# KiCad board AmigaPCI Mainboard.kicad_pcb (continued)
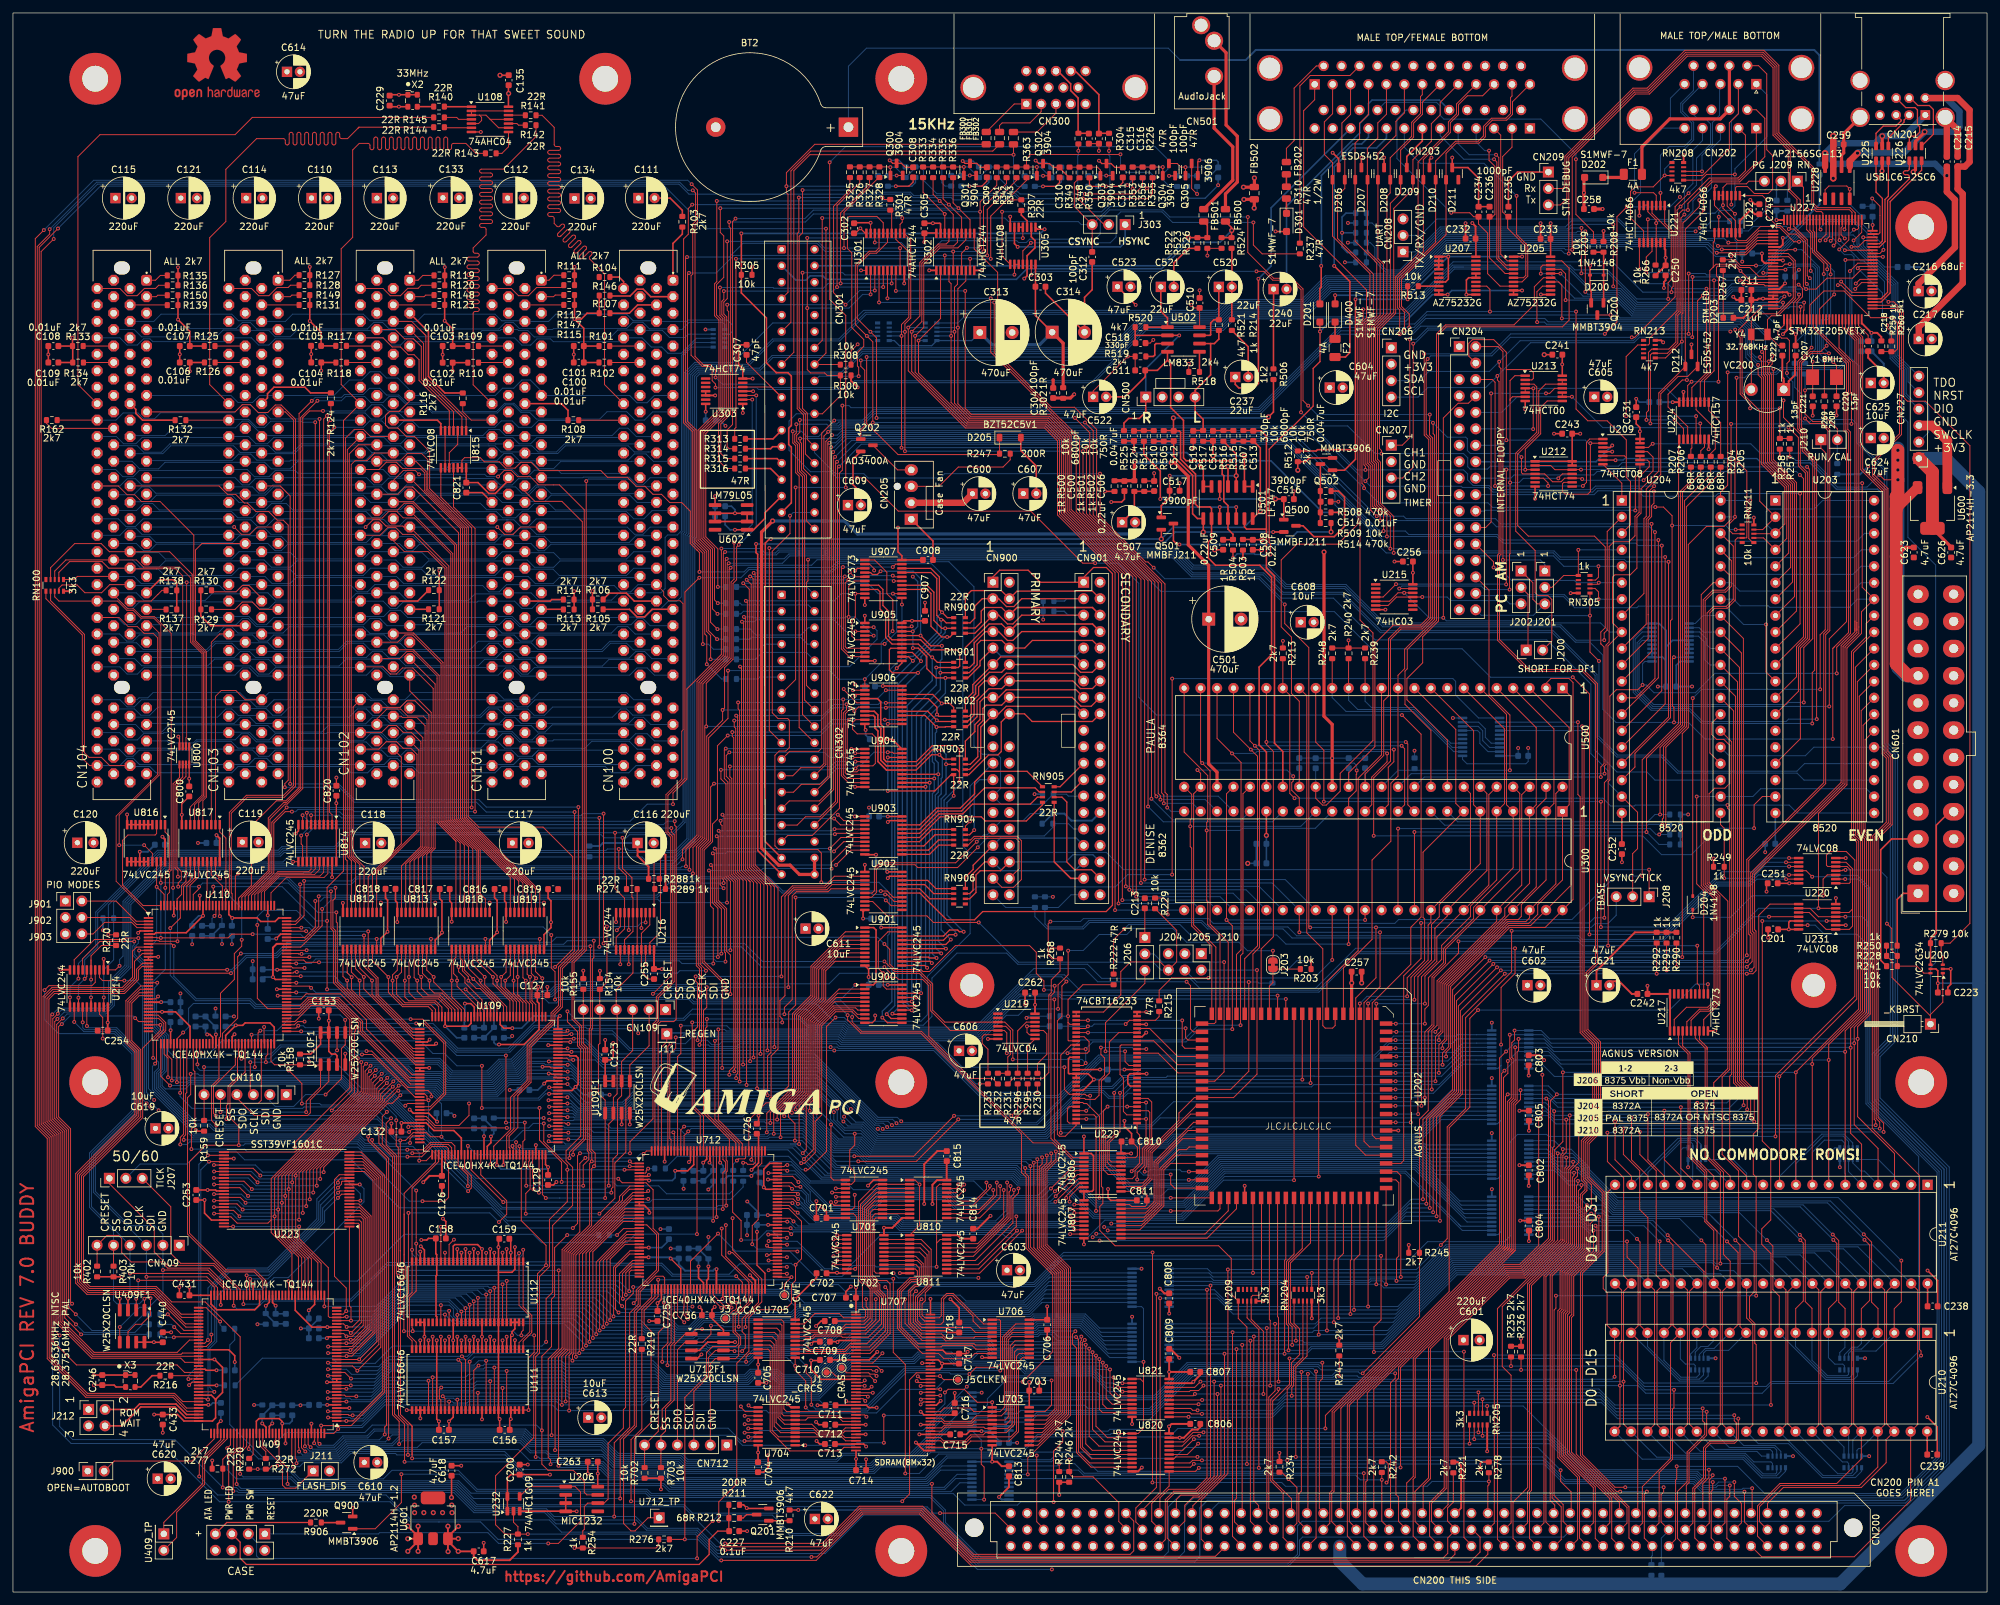
[diagram p0: board, top side]
## Routing (per net, layer and track width the routed paths; a pad name or vN(x,y) marks a point on that pad's centre or on a via; arc(x,y) is an arc through that point) (continued)
LVD12: length 222.9
  Top w0.15: v1(120.84,74.53) 120.84,74.97 122.77,76.9 122.77,88.32 127.56,93.11 U900.2 ; v1(85.63,74.39) 85.58,74.44 U109.83 ; v1(158.91,67.13) 158.91,66.12 158.46,65.68 158.46,53.19 162.08,49.57 162.08,27.79 158.9,24.62 156.91,24.62
  Bottom w0.15: 158.67,67.37 159.13,66.9 171.17,66.9 171.82,66.25 178.02,66.25 180.06,68.29 217.62,68.29 218.82,67.09 U803.6 ; 158.67,67.37 v1(158.91,67.13) ; 158.67,67.37 132.27,67.37 130.59,69.05 127.11,69.05 122.05,74.11 121.59,74.11 121.17,74.53 v1(120.84,74.53) 120.62,74.76 112.81,74.76 112.59,74.53 95.58,74.53 94.85,73.81 86.94,73.81 86.36,74.39 v1(85.63,74.39)
LVD13: length 224.7
  Top w0.15: U900.4 127.11,91.81 123.37,88.07 123.37,76.65 121.91,75.19 v1(121.91,74.68) ; v1(159.63,67.43) 159.63,66.28 158.76,65.42 158.76,53.31 162.38,49.7 162.38,27.67 158.68,23.96 U703.13 ; U109.84 v1(82.79,74.94)
  Bottom w0.15: U803.7 218.59,67.74 217.74,68.59 179.93,68.59 177.9,66.56 171.94,66.56 171.29,67.2 159.85,67.2 v1(159.63,67.43) 159.39,67.66 132.4,67.66 130.71,69.35 127.24,69.35 v1(121.91,74.68) 121.53,75.06 95.68,75.06 94.73,74.11 87.07,74.11 86.26,74.91 82.81,74.91 v1(82.79,74.94)
LVD14: length 222.4
  Top w0.15: v1(160.31,67.74) 160.31,66.54 159.06,65.29 159.06,53.44 162.68,49.82 162.68,27.54 158.45,23.31 U703.12 ; U900.6 126.66,90.51 123.97,87.82 123.97,76.41 123.01,75.44 v1(123.01,74.32) ; U109.85 v1(85.62,75.44)
  Bottom w0.15: 218.15,68.6 218.37,68.39 U803.8 ; 218.15,68.6 218.38,68.38 ; 218.15,68.6 217.87,68.89 179.81,68.89 177.78,66.85 172.07,66.85 171.42,67.5 160.55,67.5 v1(160.31,67.74) 160.09,67.96 132.52,67.96 130.83,69.65 127.36,69.65 123.01,74 v1(123.01,74.32) 121.97,75.36 95.55,75.36 94.6,74.41 87.19,74.41 86.16,75.44 v1(85.62,75.44)
LVD15: length 222.9
  Top w0.15: U109.87 85.59,76.44 v1(85.61,76.41) ; v1(124.09,73.98) 124.09,74.42 124.57,74.9 124.57,87.58 126.91,89.91 129.68,89.91 130.38,89.21 U900.8 ; U703.11 158.22,22.66 162.98,27.42 162.98,49.94 159.36,53.56 159.36,65.17 161.02,66.83 v1(161.02,68.03)
  Bottom w0.15: v1(85.61,76.41) 87.31,74.71 94.48,74.71 95.43,75.66 122.41,75.66 v1(124.09,73.98) 124.09,73.34 127.48,69.95 130.96,69.95 132.65,68.26 160.79,68.26 v1(161.02,68.03) 171.32,68.03 172.19,67.15 177.65,67.15 179.69,69.19 217.99,69.19 218.14,69.04 U803.9
LVD16: length 347.5
  Top w0.15: v1(128.15,158.27) 127.91,158.03 127.91,145.63 129.1,144.44 U905.9 ; v1(117.06,76.19) 117.06,82.78 118.13,83.85 118.13,108.75 114.59,112.29 114.59,157.14 v1(114.37,157.37) ; v1(135.85,158.27) 136.3,158.72 U907.19 ; v1(47.98,64.84) 47.98,65.59 57.87,75.48 58.58,75.48 v1(59.81,76.71) ; v1(126.3,72.19) 126.3,64 126.68,63.62 U701.11 ; U223.29 v1(31.04,65.94) ; U109.88 v1(82.78,76.94)
  Bottom w0.15: v1(47.98,64.84) 38.54,64.84 37.44,65.94 v1(31.04,65.94) ; v1(59.81,76.71) 60.16,77.06 64.92,77.06 66.01,75.97 81.24,75.97 82.21,76.94 v1(82.78,76.94) 85.87,76.94 87.8,75.01 94.35,75.01 95.52,76.19 122.63,76.19 126.3,72.51 v1(126.3,72.19) 128.25,70.25 131.08,70.25 132.77,68.56 178.64,68.56 179.56,69.49 217.07,69.49 220.54,72.95 U822.2 ; v1(114.37,157.37) 126.37,157.37 127.28,158.27 v1(128.15,158.27) v1(135.85,158.27)
LVD17: length 345
  Top w0.15: U109.90 v1(82.79,77.94) ; U905.7 128.74,145.74 128.51,145.97 128.51,155.83 v1(128.99,156.31) ; v1(47.44,63.79) 47.44,65.47 59.38,77.41 v1(59.5,77.41) ; v1(113.29,156.3) 113.99,155.6 113.99,112.04 117.03,109 117.03,83.31 116.51,82.79 v1(116.51,76.71) ; U223.31 v1(31.05,64.94) ; v1(135.99,156.12) U907.15 ; U701.12 129.49,62.97 129.97,63.46 129.97,64.85 129.2,65.62 129.2,68.25 129.97,69.02 v1(129.97,70.78)
  Bottom w0.15: v1(113.29,156.3) 113.29,156.31 v1(128.99,156.31) 135.81,156.31 v1(135.99,156.12) ; v1(47.44,63.79) 37.96,63.79 36.81,64.94 v1(31.05,64.94) ; v1(59.5,77.41) 59.55,77.36 65.04,77.36 66.13,76.27 81.12,76.27 v1(82.79,77.94) 83.49,77.24 86,77.24 87.9,75.34 94.25,75.34 95.62,76.71 v1(116.51,76.71) 124.36,76.71 126.21,74.86 126.21,73.03 128.46,70.78 v1(129.97,70.78) 130.98,70.78 132.89,68.87 178.51,68.87 179.44,69.79 216.95,69.79 220.76,73.6 U822.3
LVD18: length 338.2
  Top w0.15: v1(113.17,153.06) 113.39,152.84 113.39,111.79 115.95,109.23 v1(115.95,77.25) ; U109.91 v1(85.62,78.44) ; v1(46.91,62.74) 46.91,65.36 57.38,75.83 57.38,76.02 v1(59.56,78.2) ; U905.5 130.09,147.04 129.54,147.6 129.54,150.01 130.06,150.54 v1(130.06,154.17) 130.06,154.17 U907.9 ; U701.13 127.04,62.32 v1(127.04,62.33) ; U223.33 v1(31.04,63.94)
  In2.Cu w0.15: v1(127.04,62.33) 127.88,63.16 127.88,71.81 126.74,72.95 v1(126.74,74.1)
  Bottom w0.15: 221,74.26 216.83,70.09 179.31,70.09 178.39,69.16 133.02,69.16 130.88,71.3 128.36,71.3 126.74,72.92 v1(126.74,74.1) 126.74,74.76 124.24,77.25 v1(115.95,77.25) 95.74,77.25 94.13,75.64 88.42,75.64 v1(85.62,78.44) 84.25,78.44 83.45,79.24 79.38,79.24 78.52,78.38 76.66,78.38 74.85,76.57 66.25,76.57 65.16,77.66 60.85,77.66 60.3,78.2 v1(59.56,78.2) ; v1(113.17,153.06) 126.79,153.06 127.9,154.17 v1(130.06,154.17) ; v1(46.91,62.74) 37.53,62.74 36.33,63.94 v1(31.04,63.94) ; U822.4 221,74.25
LVD19: length 341.5
  Top w0.15: U109.93 85.22,79.44 85.34,79.31 v1(85.64,79.31) ; U905.3 130.06,148.34 v1(130.06,148.34) ; v1(46.37,61.69) 46.37,65.25 57.08,75.96 57.08,76.47 v1(58.65,78.04) ; U223.35 v1(31.05,62.94) ; U701.14 126.49,61.68 v1(126.47,61.69) ; U907.5 129.91,156.77 v1(129.2,157.48) ; v1(114.89,77.77) 114.89,109.44 112.79,111.54 112.79,149.61 v1(112.57,149.84)
  In2.Cu w0.15: v1(130.06,148.34) 130.06,150.29 129.51,150.83 129.51,157.16 v1(129.2,157.48) ; v1(127.26,74.65) 127.26,72.85 128.18,71.94 128.18,62.28 127.58,61.69 v1(126.47,61.69)
  Bottom w0.15: v1(46.37,61.69) 36.63,61.69 35.38,62.94 v1(31.05,62.94) ; U822.5 221.22,74.91 216.71,70.39 179.19,70.39 178.26,69.46 133.14,69.46 130.95,71.66 128.43,71.66 127.26,72.82 v1(127.26,74.65) 124.14,77.77 v1(114.89,77.77) 87.96,77.77 86.42,79.31 v1(85.64,79.31) 84.16,79.31 83.94,79.54 79.26,79.54 78.4,78.68 76.53,78.68 74.72,76.87 66.38,76.87 65.29,77.96 60.97,77.96 60.12,78.81 59.42,78.81 v1(58.65,78.04) ; v1(130.06,148.34) 128.56,148.34 126.76,150.14 114.77,150.14 114.47,149.84 v1(112.57,149.84)
LVD20: length 334.1
  Top w0.15: v1(82.73,80.06) 83.06,80.06 83.19,79.94 U109.94 ; v1(111.67,135.33) 111.89,135.1 111.89,111.17 113.27,109.79 v1(113.27,78.3) ; v1(127.06,61.03) 127.06,61.02 U701.15 ; v1(128.7,137.07) 128.7,136.24 128.21,135.75 128.21,126.19 128.78,125.63 U904.8 ; U223.38 v1(31.04,61.44) ; v1(45.83,60.64) 45.83,65.13 56.78,76.08 56.78,76.91 v1(58.73,78.86) ; v1(134.78,137.3) 134.79,137.31 U906.16
  In2.Cu w0.15: v1(127.06,61.03) 127.82,61.03 128.47,61.69 128.47,72.42 v1(128.22,72.67)
  Bottom w0.15: v1(58.73,78.86) 58.98,79.11 60.24,79.11 61.09,78.26 65.41,78.26 66.5,77.17 74.6,77.17 76.41,78.98 78.27,78.98 79.36,80.06 v1(82.73,80.06) 83.44,80.06 83.66,79.84 86.32,79.84 87.86,78.3 v1(113.27,78.3) 124.36,78.3 127.8,74.87 127.8,73.1 v1(128.22,72.67) 128.93,71.96 131.07,71.96 133.27,69.76 178.14,69.76 179.07,70.69 216.58,70.69 221.44,75.55 U822.6 ; v1(134.78,137.3) 133.83,137.3 133.6,137.07 126.73,137.07 124.99,135.33 v1(111.67,135.33) ; v1(31.04,61.44) 35.27,61.44 36.07,60.64 v1(45.83,60.64)
LVD21: length 330.6
  Top w0.15: v1(129.06,134.71) 128.81,134.46 128.81,126.91 129.06,126.66 130.31,126.66 130.58,126.93 U904.6 ; v1(127.06,60.27) 127.16,60.38 U701.16 ; U109.95 85.21,80.44 85.28,80.36 v1(85.65,80.36) ; U223.40 v1(31.05,60.44) ; v1(57.73,78.6) 56.48,77.35 56.48,76.21 45.29,65.02 v1(45.29,59.59) ; v1(134.62,134.71) U906.12 ; v1(111.07,132.79) 111.07,132.13 111.29,131.91 111.29,110.92 112.2,110.01 v1(112.2,78.83)
  In2.Cu w0.15: v1(127.06,60.27) 127.48,60.27 128.78,61.56 128.78,72.96 v1(128.32,73.41)
  Bottom w0.15: v1(31.05,60.44) 34.8,60.44 35.65,59.59 v1(45.29,59.59) ; v1(57.73,78.6) 58.54,79.41 60.37,79.41 61.22,78.56 65.54,78.56 66.63,77.47 74.47,77.47 76.28,79.28 78.15,79.28 79.46,80.59 83.69,80.59 83.91,80.36 v1(85.65,80.36) 86.22,80.36 87.76,78.83 v1(112.2,78.83) 124.26,78.83 128.32,74.76 v1(128.32,73.41) 129.47,72.26 131.21,72.26 133.41,70.06 159.69,70.06 161.17,71.55 181.88,71.55 182.18,71.84 217.31,71.84 221.67,76.2 U822.7 ; v1(134.62,134.71) v1(129.06,134.71) 126.56,134.71 124.64,132.79 v1(111.07,132.79)
LVD22: length 324.6
  Top w0.15: U906.6 130.55,136.66 v1(129.91,136.02) ; v1(111.66,79.36) 111.66,79.89 111.9,80.13 111.9,109.89 110.99,110.8 110.99,125.6 110.69,125.9 v1(110.69,127.49) ; v1(81.77,81.11) 82.88,81.11 83.05,80.94 U109.96 ; 127.59,59.72 126.79,59.72 ; 127.59,59.72 126.96,59.72 ; 127.59,59.72 U701.17 ; 126.79,59.72 126.96,59.72 ; 126.79,59.72 v1(126.3,60.21) ; 126.96,59.72 126.77,59.72 ; v1(44.75,58.54) 44.75,64.9 56.18,76.33 56.18,77.79 v1(57.79,79.41) ; v1(130.08,128.23) 130.08,128.23 U904.4 ; U223.42 v1(31.04,59.44)
  In2.Cu w0.15: v1(126.3,60.21) 126.78,59.73 127.37,59.73 129.07,61.44 129.07,73.78 v1(128.85,74.01) ; v1(129.91,136.02) 130.56,135.37 130.56,128.71 v1(130.08,128.23)
  Bottom w0.15: v1(57.79,79.41) 58.1,79.71 60.49,79.71 61.34,78.86 65.66,78.86 66.75,77.77 74.35,77.77 76.16,79.58 78.03,79.58 79.56,81.11 v1(81.77,81.11) 85.06,81.11 85.28,80.89 86.12,80.89 87.65,79.36 v1(111.66,79.36) 124.15,79.36 128.85,74.66 v1(128.85,74.01) 128.85,73.84 130.13,72.56 131.33,72.56 133.53,70.37 159.56,70.37 161.05,71.85 175.75,71.85 177.12,73.22 218.25,73.22 221.89,76.85 U822.8 ; v1(44.75,58.54) 35.24,58.54 34.34,59.44 v1(31.04,59.44) ; v1(130.08,128.23) 127,128.23 126.27,127.5 110.7,127.5 v1(110.69,127.49)
LVD23: length 329
  Top w0.15: U109.97 85.62,81.44 v1(85.65,81.41) ; v1(110.06,130.25) 109.83,130.02 109.83,125.63 110.39,125.07 110.39,110.55 111.3,109.64 111.3,81.17 110.61,80.48 v1(110.61,79.88) ; v1(129.7,139.26) U906.2 ; U223.44 v1(31.05,58.44) ; U701.18 129.57,59.07 129.97,59.47 v1(129.97,61.34) ; v1(56.85,79.21) 55.88,78.24 55.88,76.46 44.18,64.75 44.18,57.5 v1(44.18,57.49) ; U904.2 130.04,129.53 v1(130.04,129.53)
  In2.Cu w0.15: v1(129.38,74.59) 129.38,74.58 129.38,61.94 v1(129.97,61.34) ; v1(129.7,139.26) 128.88,139.26 127.68,138.06 127.68,137.14 130.04,134.78 v1(130.04,129.53)
  Bottom w0.15: v1(130.04,129.53) 127.42,129.53 126.7,130.25 v1(110.06,130.25) ; U822.9 222.12,77.5 220.33,75.72 179.2,75.72 175.63,72.15 160.92,72.15 159.44,70.66 133.65,70.66 129.73,74.59 v1(129.38,74.59) 124.11,79.85 124.11,79.88 v1(110.61,79.88) 87.55,79.88 86.02,81.41 v1(85.65,81.41) 82.24,81.41 82.01,81.64 79.66,81.64 77.9,79.88 76.03,79.88 74.22,78.07 66.88,78.07 65.79,79.16 61.47,79.16 60.62,80.01 57.65,80.01 v1(56.85,79.21) ; v1(31.05,58.44) 33.81,58.44 34.76,57.49 v1(44.18,57.49)
LVD24: length 345.7
  Top w0.15: U223.30 37.07,65.44 v1(38.2,64.31) ; v1(111.38,80.41) 111.38,80.81 111.6,81.04 111.6,109.76 110.69,110.67 110.69,125.41 110.13,125.97 110.13,129.19 v1(110.61,129.67) ; U409.38 47.58,50.77 43.65,54.7 v1(43.65,64.31) 43.65,64.65 55.58,76.58 55.58,78.68 v1(56.94,80.03) ; U109.98 v1(82.75,81.94) ; v1(128.27,139.45) 128.27,139.34 130.3,137.31 U906.5 ; U904.3 129.64,128.88 v1(129.63,128.88) ; 128.75,55.1 127.26,55.1
  In2.Cu w0.15: v1(133.54,71.53) 131.46,69.45 131.46,64.47 130.5,63.51 130.5,58.33 v1(127.26,55.1) ; v1(129.63,128.88) 127.38,131.14 127.38,138.55 v1(128.27,139.45)
  Bottom w0.15: v1(38.2,64.31) v1(43.65,64.31) ; v1(110.61,129.67) 125.28,129.67 126.07,128.88 v1(129.63,128.88) ; U823.2 226.86,81.51 226.85,81.51 223.8,81.51 219.31,77.02 172.13,77.02 171.37,76.25 169.14,76.25 168.23,77.17 165.52,77.17 159.31,70.96 134.1,70.96 v1(133.54,71.53) 133.22,71.53 124.32,80.42 124.31,80.41 v1(111.38,80.41) 109.72,80.41 109.72,80.41 93.86,80.41 93.85,80.41 87.45,80.41 85.92,81.94 v1(82.75,81.94) 79.54,81.94 77.78,80.18 75.91,80.18 74.1,78.37 67,78.37 65.91,79.46 61.59,79.46 60.74,80.31 57.21,80.31 v1(56.94,80.03)
LVD25: length 345.4
  Top w0.15: v1(37.77,63.26) 36.59,64.44 U223.32 ; v1(130.09,127.18) 130.49,127.58 U904.5 132.78,127.58 133.15,127.95 133.15,132.04 132.67,132.52 130.35,132.52 129.64,133.23 129.64,134.25 130.1,134.71 U906.9 ; v1(55.87,79.72) 55.28,79.12 55.28,76.7 43.11,64.53 v1(43.11,63.26) 43.11,54.82 47.08,50.85 U409.39 ; 128.75,54.45 126.69,54.45 ; U109.99 85.53,82.44 85.81,82.16 v1(86.51,82.16) ; v1(109.5,80.93) 109.5,94.18 106.41,97.27 106.41,114.7 107.72,116.01 107.72,124.3 v1(108.25,124.83)
  In2.Cu w0.15: v1(134.29,71.51) 131.76,68.98 131.76,64.35 130.8,63.38 130.8,57.89 127.36,54.46 v1(126.68,54.46)
  Bottom w0.15: v1(108.25,124.83) 108.25,124.83 124.86,124.83 127.21,127.18 v1(130.09,127.18) ; v1(37.77,63.26) v1(43.11,63.26) ; v1(55.87,79.72) 56.77,80.61 60.87,80.61 61.72,79.76 66.03,79.76 67.12,78.67 73.98,78.67 75.79,80.48 77.65,80.48 79.64,82.46 86.21,82.46 v1(86.51,82.16) 89.91,82.16 91.14,80.94 94.24,80.94 94.24,80.93 v1(109.5,80.93) 109.5,80.94 124.23,80.94 133.07,72.1 133.71,72.1 v1(134.29,71.51) 134.54,71.26 159.19,71.26 165.39,77.47 168.35,77.47 169.26,76.55 171.25,76.55 172.7,78.01 200.5,78.01 200.85,78.35 220.22,78.35 224.04,82.17 225.9,82.17 225.9,82.16 U823.3
LVD26: length 355.6
  Top w0.15: U409.41 46.08,51.43 42.58,54.93 v1(42.58,62.21) 42.59,62.22 42.59,64.43 54.98,76.83 54.98,79.56 v1(56.02,80.6) ; U904.7 128.73,126.28 128.51,126.5 128.51,135.63 129.3,136.42 v1(129.3,136.54) ; 128.75,53.81 127.28,53.81 ; v1(111.37,134.57) 111.37,133.6 111.59,133.38 111.59,111.05 112.73,109.91 v1(112.73,81.46) ; v1(134.78,136.55) 134.89,136.66 U906.15 ; v1(36.89,62.21) 35.66,63.44 U223.34 ; 84.17,83.41 v1(86.24,83.41)
  In2.Cu w0.15: v1(127.27,53.81) 131.1,57.63 131.1,63.26 132.06,64.22 132.06,68.04 134.99,70.97 v1(134.99,71.79)
  Bottom w0.15: U823.4 226.86,82.81 226.85,82.82 223.73,82.82 220.56,79.64 200.9,79.64 200.88,79.67 178.24,79.67 178.04,79.46 171.51,79.46 169.82,77.77 165.27,77.77 159.06,71.56 135.22,71.56 v1(134.99,71.79) 134.38,72.4 133.19,72.4 124.14,81.45 112.74,81.45 v1(112.73,81.46) 91.04,81.46 89.09,83.41 v1(86.24,83.41) 80.16,83.41 77.53,80.78 75.66,80.78 73.85,78.97 67.25,78.97 66.16,80.06 61.84,80.06 60.99,80.91 56.33,80.91 v1(56.02,80.6) ; v1(36.89,62.21) v1(42.58,62.21) ; v1(134.78,136.55) 126.63,136.55 124.65,134.57 v1(111.37,134.57)
LVD27: length 362.6
  Top w0.15: U409.42 45.58,51.5 42.05,55.03 v1(42.05,61.16) 42.05,64.32 54.68,76.95 54.68,80.01 v1(55.13,80.46) ; 113.82,109.67 113.62,109.86 ; 113.81,109.67 v1(113.81,81.98) ; 113.81,109.67 113.62,109.86 ; 113.62,109.86 112.19,111.3 112.19,136.15 111.97,136.37 v1(111.97,137.37) ; U223.36 35.03,62.44 v1(36.31,61.16) ; U906.19 v1(134.78,139.26) ; v1(128.2,137.84) 128.18,137.81 128.18,136.34 127.91,136.08 127.91,126.07 129,124.98 U904.9 ; 128.75,53.15 126.69,53.15 ; U109.102 v1(85.63,83.94)
  In2.Cu w0.15: v1(135.71,72.09) 135.71,71.27 132.36,67.92 132.36,64.1 131.39,63.13 131.39,57.19 127.37,53.17 v1(126.68,53.17)
  Bottom w0.15: v1(36.31,61.16) v1(42.05,61.16) ; 228.32,83.46 225.83,83.46 225.83,83.47 223.7,83.47 221.08,80.85 174.18,80.85 173.1,79.76 171.39,79.76 169.69,78.07 165.14,78.07 158.94,71.87 135.94,71.87 v1(135.71,72.09) 135.1,72.7 133.32,72.7 124.04,81.98 v1(113.81,81.98) 113.81,81.98 90.94,81.98 88.99,83.94 v1(85.63,83.94) 85.56,83.88 80.2,83.88 77.4,81.08 75.54,81.08 73.73,79.27 67.37,79.27 66.28,80.36 61.96,80.36 61.11,81.21 55.88,81.21 v1(55.13,80.46) ; v1(111.97,137.37) 125.55,137.37 126.02,137.84 v1(128.2,137.84) 133.36,137.84 v1(134.78,139.26)
LVD28: length 366
  Top w0.15: U409.43 45.08,51.58 41.52,55.14 v1(41.52,60.12) 41.52,64.22 54.38,77.08 54.38,80.45 v1(55.21,81.28) ; v1(35.92,60.12) 35.09,60.94 U223.39 ; v1(132.97,157.75) 132.97,158.02 132.27,158.72 U907.2 ; v1(112.27,142.9) 112.49,142.68 112.49,111.42 114.34,109.57 v1(114.34,82.55) ; U905.2 132.89,148.99 v1(132.89,148.99) ; 128.75,52.5 127.28,52.5 ; v1(86.05,84.91) 86.03,84.94 U109.104
  In2.Cu w0.15: v1(132.89,148.99) 132.12,148.99 130.88,150.22 130.88,155.66 v1(132.97,157.75) ; 127.14,52.51 131.69,57.07 131.69,61.29 132.66,62.25 132.66,67.79 136.42,71.56 v1(136.42,72.39)
  Bottom w0.15: v1(112.27,142.9) 129.18,142.9 133.42,147.13 133.42,148.46 v1(132.89,148.99) ; v1(55.21,81.28) 55.44,81.51 65.56,81.51 67.5,79.57 73.6,79.57 75.41,81.38 77.28,81.38 80.92,85.02 85.94,85.02 v1(86.05,84.91) 88.44,84.91 90.8,82.55 v1(114.34,82.55) 123.89,82.55 133.44,73 135.81,73 v1(136.42,72.39) 136.64,72.16 158.13,72.16 167.98,82.01 221.53,82.01 223.63,84.11 U823.6 ; v1(35.92,60.12) v1(41.52,60.12)
  vias: v1(127.27,52.51)
LVD29: length 368
  Top w0.15: U907.6 129.86,156.12 129.04,155.29 v1(129.04,150.57) ; v1(86.59,85.45) 86.58,85.44 U109.105 ; U905.4 132.88,147.69 v1(132.89,147.68) ; v1(112.87,150.57) 113.09,150.35 113.09,111.67 115.42,109.34 v1(115.42,83.1) ; v1(54.52,81.58) 54.08,81.14 54.08,77.2 40.95,64.07 v1(40.95,59.06) 40.95,55.28 44.58,51.65 U409.44 ; 128.75,51.85 126.69,51.85 ; U223.41 34.59,59.94 v1(35.47,59.06)
  In2.Cu w0.15: v1(137.15,72.69) 137.15,71.87 132.96,67.67 132.96,62.22 133,62.18 133,59.59 132,58.59 132,56.49 127.36,51.86 v1(126.68,51.86)
  Bottom w0.15: U823.7 226,84.76 225.99,84.76 223.86,84.76 222.43,83.33 212.54,83.33 211.52,82.31 167.85,82.31 158.01,72.46 137.38,72.46 v1(137.15,72.69) 136.55,73.3 133.57,73.3 123.76,83.1 115.43,83.1 v1(115.42,83.1) 90.67,83.1 88.32,85.45 v1(86.59,85.45) 80.93,85.45 77.16,81.68 75.29,81.68 73.48,79.87 67.62,79.87 65.68,81.81 54.75,81.81 v1(54.52,81.58) ; v1(35.47,59.06) v1(40.95,59.06) ; v1(132.89,147.68) 130,150.57 128.52,150.57 128.39,150.44 114.36,150.44 114.23,150.57 v1(112.87,150.57)
LVD30: length 385.6
  Top w0.15: U223.43 34.06,58.94 v1(34.98,58.01) ; 128.75,51.2 127.26,51.2 ; U409.45 44.08,51.73 40.4,55.41 v1(40.4,58.01) 40.4,63.95 53.78,77.33 v1(53.78,81.84) ; v1(135.87,154.17) 135.87,154.17 U907.12 ; U109.106 85.66,85.94 85.88,86.16 v1(86.23,86.16) ; v1(134.59,146.41) 134.57,146.39 U905.6 ; v1(112.75,155.78) 112.77,155.78 113.69,154.86 113.69,111.92 116.49,109.12 v1(116.49,83.63)
  In2.Cu w0.15: v1(127.26,51.21) 126.59,51.21 125.78,52.02 125.78,74.1 126.81,75.13 v1(126.81,83.62)
  Bottom w0.15: v1(53.78,81.84) 54.05,82.11 65.81,82.11 67.75,80.17 73.35,80.17 75.16,81.98 77.03,81.98 81.21,86.16 v1(86.23,86.16) 92.64,86.16 95.17,83.63 v1(116.49,83.63) 116.5,83.62 v1(126.81,83.62) 142.16,83.62 149.43,76.35 161.47,76.35 163.26,78.14 167.73,82.61 210.4,82.61 212.5,84.7 222.21,84.7 222.69,85.18 ; 222.69,85.18 222.92,85.41 U823.8 ; 222.69,85.18 222.93,85.42 ; v1(134.59,146.41) 136.45,148.27 136.45,153.59 v1(135.87,154.17) 133.6,154.17 131.99,155.78 v1(112.75,155.78) ; v1(34.98,58.01) v1(40.4,58.01)
LVD31: length 388.8
  Top w0.15: v1(85.63,86.69) 85.38,86.44 U109.107 ; 39.88,57.47 39.88,55.51 43.08,52.31 U409.47 ; 39.88,57.47 39.37,56.96 34.62,56.96 33.65,57.94 U223.45 ; 39.88,57.47 39.88,63.84 53.25,77.22 53.25,82.41 v1(53.25,82.42) ; v1(135.84,156.95) 136.02,156.77 U907.16 ; 128.75,50.56 126.69,50.56 ; v1(117.56,84.15) 117.56,108.9 114.29,112.17 114.29,156.47 113.93,156.83 v1(113.82,156.83) ; U905.8 128.87,145.09 128.21,145.75 128.21,156.6 v1(128.44,156.83)
  In2.Cu w0.15: v1(126.69,50.55) 125.48,51.76 125.48,74.22 126.25,75 v1(126.25,84.15)
  Bottom w0.15: v1(113.82,156.83) v1(128.44,156.83) 131.12,156.83 131.24,156.95 v1(135.84,156.95) ; U823.9 225.98,86.06 225.97,86.06 223.06,86.06 222.86,85.85 213.17,85.85 210.23,82.91 167.6,82.91 167.08,82.39 161.34,76.65 149.56,76.65 142.28,83.93 127.49,83.93 127.27,84.15 v1(126.25,84.15) v1(117.56,84.15) 117.56,84.16 112.07,84.16 111.84,83.93 95.29,83.93 92.54,86.69 v1(85.63,86.69) 81.31,86.69 76.91,82.28 75.04,82.28 73.23,80.47 67.87,80.47 65.93,82.41 53.26,82.41 v1(53.25,82.42)
LVDRA0-G: length 53.7
  Top w0.15: v1(160.96,60.26) 162.08,61.38 162.08,61.38 164.52,63.82 U806.7 ; v1(121.59,62.58) 120.83,62.58 120.21,63.2 U712.102
  Bottom w0.15: v1(160.96,60.26) 160.74,60.04 160.2,60.04 ; 160.2,60.04 160.74,60.04 ; 160.2,60.04 145.79,60.04 144.34,61.5 134.08,61.5 131.21,58.62 124.52,58.62 122.8,60.35 122.8,61.37 v1(121.59,62.58)
LVDRA1-0: length 53.1
  Top w0.15: U712.101 119.85,62.7 v1(120.29,62.26) ; U806.8 164.62,63.18 162.62,61.18 v1(162.62,60.86)
  Bottom w0.15: v1(162.62,60.86) 161.51,59.74 145.67,59.74 144.21,61.19 134.21,61.19 131.34,58.32 124.4,58.32 122.5,60.23 122.5,61.24 121.75,61.99 120.56,61.99 v1(120.29,62.26)
LVDRA2-1: length 52.6
  Top w0.15: v1(163.15,60.28) 163.15,61.05 164.62,62.52 165.36,62.52 ; v1(121.21,61.46) 120.97,61.7 U712.99
  Bottom w0.15: v1(121.21,61.46) 122.2,60.47 122.2,60.1 124.27,58.02 131.46,58.02 134.33,60.89 144.09,60.89 145.54,59.44 161.96,59.44 162.8,60.28 v1(163.15,60.28)
LVDRA3-2: length 50.9
  Top w0.15: U807.2 163.88,59.83 v1(163.88,59.83) ; v1(121.23,60.7) 120.73,61.2 U712.98
  Bottom w0.15: v1(163.88,59.83) 163.81,59.75 162.7,59.75 162.09,59.14 145.42,59.14 143.96,60.59 134.46,60.59 131.59,57.72 124.15,57.72 121.81,60.07 121.81,60.12 v1(121.23,60.7)
LVDRA4-3: length 50.2
  Top w0.15: U807.3 163.26,59.19 v1(163.26,59.18) ; v1(121.21,59.95) 120.45,60.7 U712.97
  Bottom w0.15: v1(121.21,59.95) 121.5,59.95 124.02,57.43 131.71,57.43 132.61,58.32 136.52,58.32 137.53,57.31 151.73,57.31 153.26,58.84 162.21,58.84 162.55,59.18 v1(163.26,59.18)
LVDRA5-4: length 50
  Top w0.15: v1(163.88,58.54) 163.88,58.53 U807.4 ; U712.96 120.21,60.2 v1(120.35,60.06)
  Bottom w0.15: v1(163.88,58.54) 153.65,58.54 152.12,57.01 137.41,57.01 136.4,58.02 132.74,58.02 131.84,57.12 123.9,57.12 121.73,59.3 121.11,59.3 v1(120.35,60.06)
LVDRA6-5: length 49.8
  Top w0.15: v1(163.26,57.89) 163.26,57.88 U807.5 ; v1(121.16,58.58) 120.92,58.82 120.68,58.82 119.79,59.7 U712.95
  Bottom w0.15: v1(121.16,58.58) 122.92,56.82 131.96,56.82 132.86,57.72 136.27,57.72 137.28,56.71 153.68,56.71 154.19,57.23 161.98,57.23 162.64,57.89 v1(163.26,57.89)
LVDRA7-6: length 48.9
  Top w0.15: 118.06,57.72 120.03,57.72 v1(120.52,57.24) ; v1(163.87,57.24) 163.88,57.24 U807.6
  Bottom w0.15: v1(163.87,57.24) 162.75,57.24 162.44,56.93 154.31,56.93 153.8,56.41 137.16,56.41 136.15,57.43 132.98,57.43 132.08,56.52 121.23,56.52 v1(120.52,57.24)
LVDRA8-7: length 48.8
  Top w0.15: v1(163.25,56.58) 163.25,56.58 U807.7 ; U712.90 v1(119.55,57.2)
  Bottom w0.15: v1(119.55,57.2) 119.81,57.2 120.79,56.22 132.21,56.22 133.11,57.12 136.02,57.12 137.03,56.12 154.01,56.12 154.53,56.63 163.2,56.63 v1(163.25,56.58)
LVDRA9-8: length 53.5
  Top w0.15: v1(119.55,65.05) 119.4,65.2 U712.106 ; U806.4 163.72,65.77 v1(160.27,62.32)
  Bottom w0.15: v1(160.27,62.32) 158.89,60.94 146.17,60.94 144.71,62.39 133.71,62.39 130.84,59.52 126.23,59.52 120.7,65.05 v1(119.55,65.05)
LVOVL: length 127.4
  Top w0.15: v1(43.25,112.77) 43.25,112.77 U814.11 ; v1(6.07,89.2) 5.85,88.97 5.85,72.88 7.69,71.04 7.69,41.84 12.53,37.01 25.35,37.01 27.25,38.91 U409.83
  Bottom w0.15: v1(6.07,89.2) 7.03,90.16 13.96,90.16 14.75,90.95 14.75,94.25 17.3,96.8 17.3,106.54 23.2,112.44 42.52,112.44 42.85,112.77 v1(43.25,112.77)
LVPARITY: length 21.2
  Top w0.15: U816.3 22.18,117.13 21.95,116.9 17.75,116.9 16.93,116.07 16.93,109.17 20.1,106 U110.144
LVSIZ0: length 227.3
  Top w0.15: U712.2 95.28,65.7 v1(95.23,65.75) ; v1(84.23,19.5) 84.22,19.5 84.22,36.3 85.39,37.46 85.39,52.64 89.34,56.59 89.34,65.38 v1(89.71,65.75) 89.89,65.93 89.89,67.77 89.28,68.37 89.28,86.78 89.46,86.96 89.46,97.73 89.69,97.95 89.69,100.57 v1(89.69,100.58) ; U110.17 v1(33.07,96.09)
  Bottom w0.15: v1(89.69,100.58) 85.58,100.58 85.03,100.03 42.43,100.03 40.7,98.3 35.98,98.3 33.77,96.09 v1(33.07,96.09) ; v1(84.23,19.5) 84.5,19.23 90.78,19.23 92.07,17.94 100.74,17.94 101.91,16.76 141.17,16.76 143.23,18.82 U809.8 ; v1(95.23,65.75) v1(89.71,65.75)
LVSIZ1: length 226.2
  Top w0.15: U712.1 95.56,66.2 v1(95.24,66.51) ; v1(89.16,99.73) 89.16,87.13 88.99,86.95 88.99,68.25 89.37,67.87 v1(89.37,66.51) 89.04,66.19 89.04,56.71 85.09,52.76 85.09,37.59 83.7,36.2 v1(83.7,21.92) ; v1(33.66,95.56) 33.66,95.56 20.95,95.56
  Bottom w0.15: v1(83.7,21.92) 90.84,21.92 92.87,19.89 102.65,19.89 103.61,18.93 132.75,18.93 133.75,19.93 139.19,19.93 144.87,25.6 U808.2 ; v1(89.16,99.73) 42.55,99.73 40.82,98 36.1,98 v1(33.66,95.56) ; v1(89.37,66.51) 89.37,66.51 v1(95.24,66.51)
LVTM0: length 112.7
  Top w0.15: v1(44.18,21.7) 44.18,22.25 44.08,22.35 U409.136
  Bottom w0.15: v1(44.18,21.7) 44.72,21.16 50.21,21.16 51.65,22.6 58.6,22.6 59.66,23.66 78.55,23.66 79.72,22.49 90.69,22.49 92.99,20.19 102.77,20.19 103.73,19.23 132.63,19.23 133.62,20.22 139.07,20.22 145.1,26.25 U808.3
LVTM1: length 112.5
  Top w0.15: 44.56,24.47 44.56,22.29 v1(45.14,21.7)
  Bottom w0.15: U808.6 146.62,28.2 138.95,20.52 133.5,20.52 132.5,19.53 103.86,19.53 102.9,20.49 93.12,20.49 90.82,22.79 79.85,22.79 78.67,23.96 59.54,23.96 58.48,22.9 51.53,22.9 50.09,21.46 45.39,21.46 v1(45.14,21.7)
LVTM2: length 110.9
  Top w0.15: v1(46.5,22.98) 46.5,23.36 46.58,23.44 U409.141
  Bottom w0.15: U808.9 146.15,30.15 141,25 141,23.85 138.57,21.43 128.08,21.43 127.09,20.43 104.23,20.43 103.27,21.39 93.49,21.39 91.19,23.69 80.22,23.69 79.05,24.87 55.86,24.87 54.79,23.8 51.06,23.8 49.62,22.36 47.12,22.36 v1(46.5,22.98)
LVTT0: length 211.6
  Top w0.15: v1(21.96,81.6) 22.16,81.8 22.16,85.27 23.59,86.69 23.59,87.91 22.41,89.09 U110.31 ; U409.138 v1(45.08,22.51) ; v1(58,23.7) 58,66.94 55.45,69.49 v1(55.45,69.81)
  Bottom w0.15: U808.7 145.7,28.85 141.6,24.75 141.6,23.6 138.82,20.82 133.38,20.82 132.38,19.83 103.98,19.83 103.02,20.79 93.24,20.79 90.94,23.09 79.97,23.09 78.8,24.26 58.56,24.26 v1(58,23.7) 57.5,23.2 51.4,23.2 49.96,21.76 45.83,21.76 v1(45.08,22.51) ; v1(21.96,81.6) 21.53,81.17 21.53,77.57 27.31,71.8 27.31,71.05 27.93,70.43 53.68,70.43 54.29,69.81 v1(55.45,69.81)
